# KiCad board M3DU_BoardV3_2.kicad_pcb (continued)
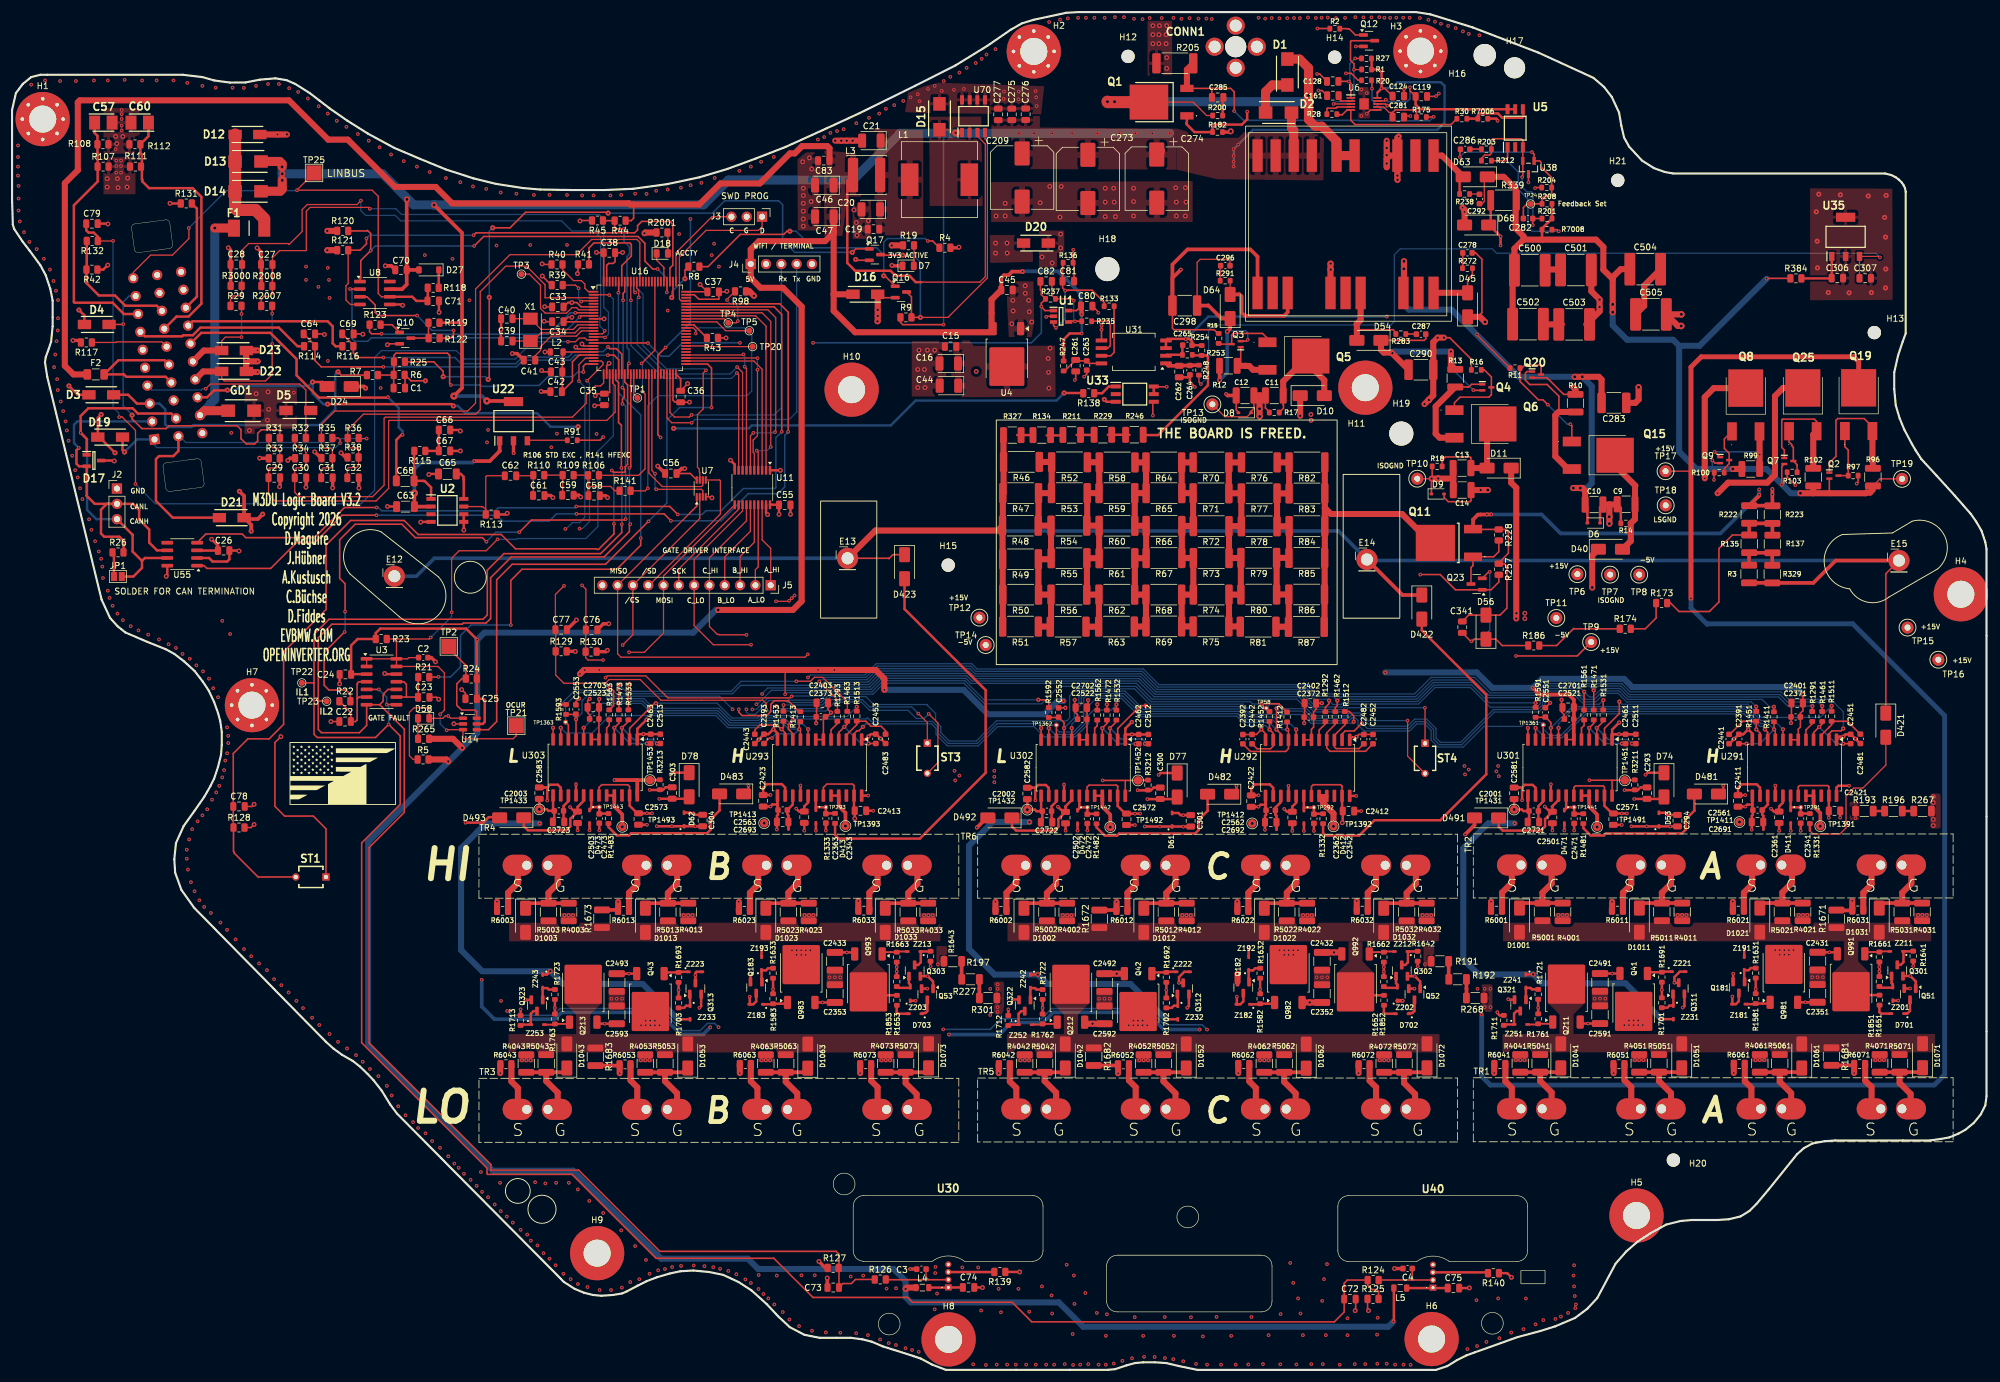
[diagram p0: board, top side]
## Placement (name value [footprint] x y rotation side) (continued)
Q992  3N0408  [TO-252-2]  222.91 64.02 270 top
Q993  3N0408  [TO-252-2]  142.09 64.02 270 top
R1  10K  [R_0603_1608Metric]  224.76 215.9 0 top
R2  3K3  [R_0603_1608Metric]  219.48 222.67 0 top
R3  82K  [R_1210_3225Metric]  288.21 132.13 270 top
R4  10K  [R_0805_2012Metric]  154.78 186.3 0 top
R5  10K  [R_0805_2012Metric]  68.21 101.35 180 top
R6  1K5  [R_0805_2012Metric]  64.23 165.19 180 top
R7  4K7  [R_0805_2012Metric]  59.79 165.16 180 top
R8  10K  [R_0805_2012Metric]  113.13 183.16 180 top
R9  27K  [R_0805_2012Metric]  148.32 174.74 0 top
R10  4R99  [R_1210_3225Metric]  259.41 160.5 270 top
R11  22K  [R_0603_1608Metric]  249.38 166.32 180 top
R12  4R99  [R_1210_3225Metric]  201.81 166.7 0 top
R13  4R99  [R_1210_3225Metric]  239.46 164.65 270 top
R14  4K7  [R_0603_1608Metric]  267.76 140.55 180 top
R15  22K  [R_0603_1608Metric]  200.21 171.25 90 top
R16  22K  [R_0603_1608Metric]  242.96 166.02 180 top
R17  4K7  [R_0603_1608Metric]  209.43 158.95 180 top
R18  4K7  [R_0603_1608Metric]  236.46 150 180 top
R19  680R  [R_0805_2012Metric]  148.74 186.7 0 top
R20  4R7  [R_0603_1608Metric]  224.73 214.1 0 top
R21  10K  [R_0805_2012Metric]  68.31 115.02 0 top
R22  10K  [R_0805_2012Metric]  55.22 111.02 0 top
R23  4K7  [R_0805_2012Metric]  61.26 121.35 180 top
R24  4K7  [R_0805_2012Metric]  76.21 114.77 0 top
R25  10K  [R_0805_2012Metric]  64.28 167.36 180 top
R26  120R  [R_0805_2012Metric]  17.58 135.72 0 top
R27  300K  [R_0603_1608Metric]  224.73 217.72 180 top
R28  33.2K  [R_0603_1608Metric]  218.98 208.47 0 top
R29  1K  [R_0805_2012Metric]  37.16 176.65 0 top
R30  18K  [R_0603_1608Metric]  240.56 207.72 0 top
R31  4K7  [R_0805_2012Metric]  43.52 154.72 0 top
R32  4K7  [R_0805_2012Metric]  47.83 154.72 0 top
R33  1K5  [R_0805_2012Metric]  43.51 151.35 0 top
R34  1K5  [R_0805_2012Metric]  47.87 151.36 0 top
R35  4K7  [R_0805_2012Metric]  52.24 154.73 0 top
R36  4K7  [R_0805_2012Metric]  56.6 154.71 0 top
R37  1K5  [R_0805_2012Metric]  52.24 151.38 0 top
R38  1K5  [R_0805_2012Metric]  56.58 151.5 0 top
R39  1K  [R_0805_2012Metric]  90.46 180.1 0 top
R40  1K  [R_0805_2012Metric]  90.42 183.52 0 top
R41  4K7  [R_0805_2012Metric]  94.81 183.55 0 top
R42  47K  [R_0805_2012Metric]  13.26 182.67 180 top
R43  1K  [R_0805_2012Metric]  116.21 171.32 180 top
R44  47K  [R_0805_2012Metric]  100.89 190.8 180 top
R45  3K3  [R_0805_2012Metric]  97.13 190.82 180 top
R46  3K9  [R_2512_6332Metric]  167.48 150.74 180 top
R47  3K9  [R_2512_6332Metric]  167.35 145.56 180 top
R48  3K9  [R_2512_6332Metric]  167.3 140.16 180 top
R49  3K9  [R_2512_6332Metric]  167.33 134.59 180 top
R50  3K9  [R_2512_6332Metric]  167.35 128.71 180 top
R51  3K9  [R_2512_6332Metric]  167.33 123.41 180 top
R52  3K9  [R_2512_6332Metric]  175.45 150.69 180 top
R53  3K9  [R_2512_6332Metric]  175.43 145.56 180 top
R54  3K9  [R_2512_6332Metric]  175.35 140.16 180 top
R55  3K9  [R_2512_6332Metric]  175.38 134.76 180 top
R56  3K9  [R_2512_6332Metric]  175.35 128.71 180 top
R57  3K9  [R_2512_6332Metric]  175.23 123.39 180 top
R58  3K9  [R_2512_6332Metric]  183.35 150.66 180 top
R59  3K9  [R_2512_6332Metric]  183.32 145.56 180 top
R60  3K9  [R_2512_6332Metric]  183.33 140.14 180 top
R61  3K9  [R_2512_6332Metric]  183.33 134.76 180 top
R62  3K9  [R_2512_6332Metric]  183.3 128.71 180 top
R63  3K9  [R_2512_6332Metric]  183.25 123.41 180 top
R64  3K9  [R_2512_6332Metric]  191.1 150.66 180 top
R65  3K9  [R_2512_6332Metric]  191.13 145.56 180 top
R66  3K9  [R_2512_6332Metric]  191.13 140.11 180 top
R67  3K9  [R_2512_6332Metric]  191.13 134.79 180 top
R68  3K9  [R_2512_6332Metric]  191.1 128.71 180 top
R69  3K9  [R_2512_6332Metric]  191.1 123.44 180 top
R70  3K9  [R_2512_6332Metric]  198.93 150.66 180 top
R71  3K9  [R_2512_6332Metric]  198.93 145.54 180 top
R72  3K9  [R_2512_6332Metric]  198.95 140.09 180 top
R73  3K9  [R_2512_6332Metric]  198.97 134.79 180 top
R74  3K9  [R_2512_6332Metric]  198.95 128.71 180 top
R75  3K9  [R_2512_6332Metric]  198.93 123.44 180 top
R76  3K9  [R_2512_6332Metric]  206.95 150.66 180 top
R77  3K9  [R_2512_6332Metric]  206.93 145.51 180 top
R78  3K9  [R_2512_6332Metric]  206.93 140.06 180 top
R79  3K9  [R_2512_6332Metric]  206.85 134.81 180 top
R80  3K9  [R_2512_6332Metric]  206.85 128.74 180 top
R81  3K9  [R_2512_6332Metric]  206.75 123.39 180 top
R82  3K9  [R_2512_6332Metric]  214.85 150.66 180 top
R83  3K9  [R_2512_6332Metric]  214.85 145.51 180 top
R84  3K9  [R_2512_6332Metric]  214.85 140.09 180 top
R85  3K9  [R_2512_6332Metric]  214.83 134.81 180 top
R86  3K9  [R_2512_6332Metric]  214.8 128.74 180 top
R87  3K9  [R_2512_6332Metric]  214.75 123.36 180 top
R91  1K  [R_0603_1608Metric]  92.95 154.34 0 top
R96  4R99  [R_1210_3225Metric]  308.76 148.22 90 top
R97  22K  [R_0603_1608Metric]  305.48 148.47 0 top
R98  1K  [R_0805_2012Metric]  120.87 179.06 180 top
R99  4R99  [R_1210_3225Metric]  288.48 149.57 0 top
R100  22K  [R_0603_1608Metric]  283.26 148.97 180 top
R102  4R99  [R_1210_3225Metric]  298.86 148.22 90 top
R103  22K  [R_0603_1608Metric]  295.36 149.02 180 top
R106  3K9  [R_0805_2012Metric]  96.47 148.52 0 top  (not fitted)
R107  220R  [R_0805_2012Metric]  15.11 199.77 0 top
R108  220R  [R_0805_2012Metric]  15.08 203.47 180 top
R109  1K8  [R_0805_2012Metric]  92.27 148.55 0 top
R110  1K8  [R_0805_2012Metric]  87.39 148.55 0 top
R111  220R  [R_0805_2012Metric]  20.48 199.77 180 top
R112  220R  [R_0805_2012Metric]  20.38 203.47 0 top
R113  10K  [R_0805_2012Metric]  79.51 142.02 180 top
R114  10K  [R_0805_2012Metric]  49.36 169.95 180 top
R115  10K  [R_0805_2012Metric]  67.66 152.57 180 top
R116  10K  [R_0805_2012Metric]  55.72 169.95 180 top
R117  0R  [R_0805_2012Metric]  12.33 170.57 180 top
R118  1K  [R_0805_2012Metric]  69.88 179.65 180 top
R119  10K  [R_0805_2012Metric]  70.01 173.85 180 top
R120  2K2  [R_0805_2012Metric]  54.86 189.1 0 top
R121  2K2  [R_0805_2012Metric]  54.86 185.9 0 top
R122  3K3  [R_0805_2012Metric]  70.03 171.3 0 top
R123  1K  [R_0805_2012Metric]  60.23 173.52 0 top
R124  3K6  [R_0805_2012Metric]  225.84 14.92 0 top
R125  6K2  [R_0805_2012Metric]  225.82 11.8 0 top
R126  3K6  [R_0805_2012Metric]  144.06 15.02 0 top
R127  6K2  [R_0805_2012Metric]  136.25 16.94 0 top
R128  10K  [R_0805_2012Metric]  37.66 90.05 0 top
R129  10K  [R_0805_2012Metric]  91.11 119.3 0 top
R130  10K  [R_0805_2012Metric]  96.08 119.25 0 top
R131  1K  [R_0805_2012Metric]  28.91 193.65 0 top
R132  1K  [R_0805_2012Metric]  13.31 187.42 180 top
R133  10K  [R_0603_1608Metric]  182.03 176.6 0 top
R134  75K  [R_1210_3225Metric]  170.86 155.2 0 top
R135  82K  [R_1210_3225Metric]  288.23 137.15 270 top
R136  10K  [R_0603_1608Metric]  175.23 183.82 0 top
R137  82K  [R_1210_3225Metric]  292.08 137.12 270 top
R138  2K2  [R_0805_2012Metric]  178.64 162.15 180 top
R139  10k  [R_0805_2012Metric]  163.89 16.27 180 top
R140  10k  [R_0805_2012Metric]  245.79 16.07 180 top
R141  3K9  [R_0805_2012Metric]  101.71 145.95 0 top
R173  50K  [R_0805_2012Metric]  273.7 127.31 0 top
R174  50K  [R_0805_2012Metric]  267.67 123.04 0 top
R175  1k  [R_0603_1608Metric]  233.83 208 0 top
R182  100K  [R_0603_1608Metric]  200.01 205.5 0 top
R186  50K  [R_0805_2012Metric]  252.48 120.26 0 top
R191  1M  [R_1206_3216Metric]  236.91 67.84 0 top
R192  1M  [R_1206_3216Metric]  239.85 64.85 0 top
R193  1M  [R_1206_3216Metric]  307.34 92.79 0 top
R196  1M  [R_1206_3216Metric]  312.17 92.79 0 top
R197  1M  [R_1206_3216Metric]  156.08 67.84 0 top
R200  20R  [R_0603_1608Metric]  200.03 208.25 0 top
R201  35K6  [R_0603_1608Metric]  254.68 191.15 0 top
R203  25K  [R_0603_1608Metric]  244.63 202.67 0 top
R204  5K6  [R_0603_1608Metric]  254.63 196.3 0 top
R205  0.01R  [R_2512_6332Metric_Pad1.40x3.35mm_HandSolder]  192.93 216.92 180 top
R208  39K  [R_0603_1608Metric]  254.68 193.6 0 top
R211  75K  [R_1210_3225Metric]  175.82 155.22 0 top
R212  25K  [R_0603_1608Metric]  244.63 200.75 180 top
R222  82K  [R_1210_3225Metric]  288.23 142.02 270 top
R223  82K  [R_1210_3225Metric]  292.08 142 270 top
R227  1M  [R_1206_3216Metric]  159.03 64.85 0 top
R228  100K  [R_0805_2012Metric]  246.68 138.62 270 top
R229  75K  [R_1210_3225Metric]  180.99 155.25 180 top
R235  10K  [R_0603_1608Metric]  178.31 174.1 0 top
R237  10K  [R_0603_1608Metric]  172.3 177.81 0 top
R238  80.6R  [R_0603_1608Metric]  241.01 195.22 0 top
R246  75K  [R_1210_3225Metric]  186.22 155.25 180 top
R247  10R  [R_0603_1608Metric]  174.48 166.67 270 top
R248  10R  [R_0603_1608Metric]  196.93 165.97 270 top
R253  39R  [R_0603_1608Metric]  195.01 168.52 0 top
R254  1K6  [R_0603_1608Metric]  197.38 169.25 90 top
R257  100K  [R_0805_2012Metric]  246.68 132.92 270 top
R265  1K  [R_0805_2012Metric]  68.28 104.77 0 top
R267  1M  [R_1206_3216Metric]  316.99 92.79 0 top
R268  1M  [R_1206_3216Metric]  242.77 61.75 0 top
R272  80.6R  [R_0603_1608Metric]  241.48 182.9 0 top
R283  80.6R  [R_0603_1608Metric]  230.43 171.97 180 top
R291  80.6R  [R_0603_1608Metric]  201.28 180.82 0 top
R301  1M  [R_1206_3216Metric]  161.95 61.75 0 top
R327  75K  [R_1210_3225Metric]  165.96 155.2 0 top
R329  82K  [R_1210_3225Metric]  292.06 132.12 270 top
R339  4K7  [R_1812_4532Metric]  247.48 194.17 0 top
R384  0R  [R_0805_2012Metric]  295.98 181.21 0 top
R1291  680  [R_0603_1608Metric]  298.68 108.48 90 top
R1292  680  [R_0603_1608Metric]  217.91 108.46 90 top
R1293  680  [R_0603_1608Metric]  136.93 108.51 90 top
R1331  1k  [R_0603_1608Metric]  298.3 91.54 270 top
R1332  1k  [R_0603_1608Metric]  217.53 91.52 270 top
R1333  1k  [R_0603_1608Metric]  136.55 91.57 270 top
R1411  1k  [R_0603_1608Metric]  292.33 108.43 90 top
R1412  1k  [R_0603_1608Metric]  211.56 108.41 90 top
R1413  1k  [R_0603_1608Metric]  130.79 108.46 90 top
R1451  100  [R_0603_1608Metric]  289.41 108.51 90 top
R1452  100  [R_0603_1608Metric]  208.64 108.48 90 top
R1453  100  [R_0603_1608Metric]  127.99 108.51 90 top
R1461  1k  [R_0603_1608Metric]  300.33 108.48 90 top
R1462  1k  [R_0603_1608Metric]  219.56 108.46 90 top
R1463  1k  [R_0603_1608Metric]  138.58 108.51 90 top
R1471  1k  [R_0603_1608Metric]  262.44 108.74 90 top
R1472  1k  [R_0603_1608Metric]  181.66 108.71 90 top
R1473  1k  [R_0603_1608Metric]  100.69 108.76 90 top
R1481  1k  [R_0603_1608Metric]  260.71 91.52 270 top
R1482  1k  [R_0603_1608Metric]  179.94 91.49 270 top
R1483  1k  [R_0603_1608Metric]  98.96 91.54 270 top
R1511  100  [R_0603_1608Metric]  301.91 108.51 90 top
R1512  100  [R_0603_1608Metric]  221.13 108.48 90 top
R1513  100  [R_0603_1608Metric]  140.16 108.53 90 top
R1531  100  [R_0603_1608Metric]  264.01 108.74 90 top
R1532  100  [R_0603_1608Metric]  183.24 108.71 90 top
R1533  100  [R_0603_1608Metric]  102.26 108.76 90 top
R1561  680  [R_0603_1608Metric]  260.83 108.74 90 top
R1562  680  [R_0603_1608Metric]  180.06 108.71 90 top
R1563  680  [R_0603_1608Metric]  99.09 108.76 90 top
R1581  27K  [R_0603_1608Metric]  289.31 61.65 90 top
R1582  27K  [R_0603_1608Metric]  207.09 61.62 90 top
R1583  27K  [R_0603_1608Metric]  126.26 61.62 90 top
R1591  200  [R_0603_1608Metric]  252.78 109.17 90 top
R1592  200  [R_0603_1608Metric]  172.01 109.14 90 top
R1593  200  [R_0603_1608Metric]  91.92 109.65 90 top
R1631  27K  [R_0603_1608Metric]  289.31 65.89 90 top
R1632  27K  [R_0603_1608Metric]  207.09 65.86 90 top
R1633  27K  [R_0603_1608Metric]  126.26 65.86 90 top
R1641  100  [R_0603_1608Metric]  315.44 68.71 90 top
R1642  100  [R_0603_1608Metric]  233.22 68.68 90 top
R1643  100  [R_0603_1608Metric]  152.4 68.68 90 top
R1651  27K  [R_0603_1608Metric]  309.83 64.49 90 top
R1652  27K  [R_0603_1608Metric]  227.61 64.47 90 top
R1653  470  [R_0603_1608Metric]  146.81 61.37 90 top
R1661  27K  [R_0603_1608Metric]  309.83 68.55 90 top
R1662  27K  [R_0603_1608Metric]  227.61 68.53 90 top
R1663  27K  [R_0603_1608Metric]  146.79 68.53 90 top
R1671  4K7  [R_1210_3225Metric]  302.7 74.89 90 top
R1672  4K7  [R_1210_3225Metric]  180.4 74.89 90 top
R1673  4K7  [R_1210_3225Metric]  97.88 74.91 90 top
R1681  4K7  [R_1210_3225Metric]  301.88 52.04 270 top
R1682  4K7  [R_1210_3225Metric]  179.48 52.01 270 top
R1683  4K7  [R_1210_3225Metric]  96.78 51.99 270 top
R1691  27K  [R_0603_1608Metric]  273.74 65.2 270 top
R1692  27K  [R_0603_1608Metric]  191.52 65.18 270 top
R1693  27K  [R_0603_1608Metric]  110.59 65.18 270 top
R1701  27K  [R_0603_1608Metric]  273.74 60.96 270 top
R1702  27K  [R_0603_1608Metric]  191.52 60.93 270 top
R1703  27K  [R_0603_1608Metric]  110.59 60.93 270 top
R1711  100  [R_0603_1608Metric]  247.51 58.04 270 top
R1712  100  [R_0603_1608Metric]  165.29 58.01 270 top
R1713  100  [R_0603_1608Metric]  84.37 58.01 270 top
R1721  27K  [R_0603_1608Metric]  253.21 62.36 270 top
R1722  27K  [R_0603_1608Metric]  170.99 62.33 270 top
R1723  27K  [R_0603_1608Metric]  90.07 62.33 270 top
R1761  27K  [R_0603_1608Metric]  253.21 58.29 270 top
R1762  27K  [R_0603_1608Metric]  170.99 58.27 270 top
R1763  27K  [R_0603_1608Metric]  90.07 58.27 270 top
R1851  470  [R_0603_1608Metric]  309.86 61.39 90 top
R1852  470  [R_0603_1608Metric]  227.64 61.37 90 top
R1853  27K  [R_0603_1608Metric]  146.79 64.47 90 top
R2001  330R  [R_0805_2012Metric]  107.83 188.82 0 top
R2007  1K  [R_0805_2012Metric]  42.24 176.65 0 top
R2008  1K  [R_0805_2012Metric]  42.27 179.95 0 top
R3000  1K  [R_0805_2012Metric]  37.18 179.97 0 top
R3211  0R  [R_0603_1608Metric]  269.24 97.13 270 top
R3212  0R  [R_0603_1608Metric]  188.47 97.1 270 top
R3213  0R  [R_0603_1608Metric]  107.49 97.15 270 top
R4001  12  [R_1210_3225Metric]  257.28 76.05 90 top
R4002  12  [R_1210_3225Metric]  175.06 76.02 90 top
R4003  12  [R_1210_3225Metric]  92.36 76.02 90 top
R4011  12  [R_1210_3225Metric]  277.12 76.05 90 top
R4012  12  [R_1210_3225Metric]  194.9 76.02 90 top
R4013  12  [R_1210_3225Metric]  112.19 76.02 90 top
R4021  12  [R_1210_3225Metric]  297.11 76.05 90 top
R4022  12  [R_1210_3225Metric]  214.89 76.02 90 top
R4023  12  [R_1210_3225Metric]  132.18 76.02 90 top
R4031  12  [R_1210_3225Metric]  316.92 76.05 90 top
R4032  12  [R_1210_3225Metric]  234.7 76.02 90 top
R4033  12  [R_1210_3225Metric]  152 76.02 90 top
R4041  12  [R_1210_3225Metric]  250.24 50.9 270 top
R4042  12  [R_1210_3225Metric]  168.02 50.88 270 top
R4043  12  [R_1210_3225Metric]  85.32 50.88 270 top
R4051  12  [R_1210_3225Metric]  269.98 50.9 270 top
R4052  12  [R_1210_3225Metric]  187.76 50.88 270 top
R4053  12  [R_1210_3225Metric]  105.06 50.88 270 top
R4061  12  [R_1210_3225Metric]  289.99 50.9 270 top
R4062  12  [R_1210_3225Metric]  207.77 50.88 270 top
R4063  12  [R_1210_3225Metric]  125.07 50.88 270 top
R4071  12  [R_1210_3225Metric]  309.88 50.9 270 top
R4072  12  [R_1210_3225Metric]  227.66 50.88 270 top
R4073  12  [R_1210_3225Metric]  144.96 50.88 270 top
R5001  10  [R_1210_3225Metric]  253.93 76.05 90 top
R5002  10  [R_1210_3225Metric]  171.71 76.02 90 top
R5003  10  [R_1210_3225Metric]  89 76.02 90 top
R5011  10  [R_1210_3225Metric]  273.74 76.05 90 top
R5012  10  [R_1210_3225Metric]  191.52 76.02 90 top
R5013  10  [R_1210_3225Metric]  108.82 76.02 90 top
R5021  10  [R_1210_3225Metric]  293.73 76.05 90 top
R5022  10  [R_1210_3225Metric]  211.51 76.02 90 top
R5023  10  [R_1210_3225Metric]  128.8 76.02 90 top
R5031  10  [R_1210_3225Metric]  313.62 76.05 90 top
R5032  10  [R_1210_3225Metric]  231.4 76.02 90 top
R5033  10  [R_1210_3225Metric]  148.69 76.02 90 top
R5041  10  [R_1210_3225Metric]  253.54 50.9 270 top
R5042  10  [R_1210_3225Metric]  171.32 50.88 270 top
R5043  10  [R_1210_3225Metric]  88.62 50.88 270 top
R5051  10  [R_1210_3225Metric]  273.25 50.9 270 top
R5052  10  [R_1210_3225Metric]  191.03 50.88 270 top
R5053  10  [R_1210_3225Metric]  108.33 50.88 270 top
R5061  10  [R_1210_3225Metric]  293.3 50.9 270 top
R5062  10  [R_1210_3225Metric]  211.08 50.88 270 top
R5063  10  [R_1210_3225Metric]  128.37 50.88 270 top
R5071  10  [R_1210_3225Metric]  313.18 50.9 270 top
R5072  10  [R_1210_3225Metric]  230.96 50.88 270 top
R5073  10  [R_1210_3225Metric]  148.26 50.88 270 top
R6001  0.56R  [R_0805_2012Metric]  246.31 76.25 0 top
R6002  0.56R  [R_0805_2012Metric]  164.09 76.23 0 top
R6003  0.56R  [R_0805_2012Metric]  81.38 76.23 0 top
R6011  0.56R  [R_0805_2012Metric]  266.37 76.25 0 top
R6012  0.56R  [R_0805_2012Metric]  184.15 76.23 0 top
R6013  0.56R  [R_0805_2012Metric]  101.45 76.23 0 top
R6021  0.56R  [R_0805_2012Metric]  286.44 76.25 0 top
R6022  0.56R  [R_0805_2012Metric]  204.22 76.23 0 top
R6023  0.56R  [R_0805_2012Metric]  121.52 76.23 0 top
R6031  0.56R  [R_0805_2012Metric]  306.25 76.28 0 top
R6032  0.56R  [R_0805_2012Metric]  224.03 76.25 0 top
R6033  0.56R  [R_0805_2012Metric]  141.33 76.25 0 top
R6041  0.56R  [R_0805_2012Metric]  246.86 50.77 0 top
R6042  0.56R  [R_0805_2012Metric]  164.64 50.75 0 top
R6043  0.56R  [R_0805_2012Metric]  81.94 50.75 0 top
R6051  0.56R  [R_0805_2012Metric]  266.63 50.75 0 top
R6052  0.56R  [R_0805_2012Metric]  184.41 50.72 0 top
R6053  0.56R  [R_0805_2012Metric]  101.7 50.72 0 top
R6061  0.56R  [R_0805_2012Metric]  286.59 50.8 0 top
R6062  0.56R  [R_0805_2012Metric]  204.37 50.77 0 top
R6063  0.56R  [R_0805_2012Metric]  121.67 50.77 0 top
R6071  0.56R  [R_0805_2012Metric]  306.55 50.77 0 top
R6072  0.56R  [R_0805_2012Metric]  224.33 50.75 0 top
R6073  0.56R  [R_0805_2012Metric]  141.63 50.75 0 top
R7006  1k  [R_0603_1608Metric]  244.03 207.72 0 top
R7008  2K  [R_0603_1608Metric]  254.68 189.3 0 top
ST1  Thermistor  [B59100C0140A070]  52.08 81.84 180 top
ST3  Thermistor  [B59100C0140A070]  151.87 104.05 270 top
ST4  Thermistor  [B59100C0140A070]  234.44 104.02 270 top
T1  TDK_VGT  [VGT22EPC-200S6A12]  218.76 189.6 180 top
TP1  TestPoint  [TestPoint_Pad_D1.0mm]  103.76 161.37 0 top
TP2  TestPoint  [TestPoint_Pad_2.5x2.5mm]  72.48 120.11 0 top
TP3  TestPoint  [TestPoint_Pad_D1.0mm]  84.51 181.91 0 top
TP4  TestPoint  [TestPoint_Pad_D1.0mm]  118.82 173.84 0 top
TP5  TestPoint  [TestPoint_Pad_D1.0mm]  122.33 172.52 0 top
TP6  TestPoint  [TestPoint_Keystone_5000-5004_Miniature]  259.72 132.11 0 top
TP7  TestPoint  [TestPoint_Keystone_5000-5004_Miniature]  265.15 132.03 0 top
TP8  TestPoint  [TestPoint_Keystone_5000-5004_Miniature]  269.98 132.03 0 top
TP9  TestPoint  [TestPoint_Keystone_5000-5004_Miniature]  262 120.84 0 top
TP10  GND_ISO_C  [TestPoint_Keystone_5000-5004_Miniature]  233.15 147.95 0 top
TP11  TestPoint  [TestPoint_Keystone_5000-5004_Miniature]  256.23 124.84 0 top
TP12  TestPoint  [TestPoint_Keystone_5000-5004_Miniature]  160.5 124.89 0 top
TP13  TestPoint  [TestPoint_Keystone_5000-5004_Miniature]  199.16 160.3 0 top
TP14  TestPoint  [TestPoint_Keystone_5000-5004_Miniature]  161.55 120.35 0 top
TP15  TestPoint  [TestPoint_Keystone_5000-5004_Miniature]  314.5 123.24 0 top
TP16  TestPoint  [TestPoint_Keystone_5000-5004_Miniature]  319.61 117.91 0 top
TP17  TestPoint  [TestPoint_Keystone_5000-5004_Miniature]  274.35 149.2 0 top
TP18  TestPoint  [TestPoint_Keystone_5000-5004_Miniature]  274.37 143.54 0 top
TP19  TestPoint  [TestPoint_Keystone_5000-5004_Miniature]  313.59 147.93 0 top
TP20  ~  [TestPoint_Pad_D1.0mm]  122.88 169.89 0 top
TP21  TestPoint  [TestPoint_Pad_2.5x2.5mm]  83.65 106.96 0 top
TP22  TestPoint  [TestPoint_Pad_D1.0mm]  48.08 114.06 0 top
TP23  TestPoint  [TestPoint_Pad_D1.0mm]  52.2 111.01 0 top
TP24  TestPoint  [TestPoint_Pad_D1.0mm]  251.95 193.56 0 top
TP25  TestPoint  [TestPoint_Pad_2.5x2.5mm]  50.1 198.71 0 top
TP58  TestPoint  [TestPoint_Via]  208.1 109.88 0 top
TP291  TestPoint  [TestPoint_Via]  296.78 93.4 0 top
TP292  TestPoint  [TestPoint_Via]  216 93.37 0 top
TP293  TestPoint  [TestPoint_Via]  135.03 93.42 0 top
TP1361  TestPoint  [TestPoint_Via]  254.05 107.09 0 top
TP1362  TestPoint  [TestPoint_Via]  173.28 107.06 0 top
TP1363  TestPoint  [TestPoint_Via]  91.85 107.54 0 top
TP1391  TestPoint  [TestPoint_Pad_D1.5mm]  300.03 90.27 0 top
TP1392  TestPoint  [TestPoint_Pad_D1.5mm]  219.25 90.25 0 top
TP1393  TestPoint  [TestPoint_Pad_D1.5mm]  138.28 90.3 0 top
TP1411  TestPoint  [TestPoint_Pad_D1.5mm]  286.62 90.96 0 top
TP1412  TestPoint  [TestPoint_Pad_D1.5mm]  205.77 90.73 0 top
TP1413  TestPoint  [TestPoint_Pad_D1.5mm]  124.79 90.78 0 top
TP1431  TestPoint  [TestPoint_Pad_D1.5mm]  249.23 93.04 0 top
TP1432  TestPoint  [TestPoint_Pad_D1.5mm]  168.45 93.01 0 top
TP1433  TestPoint  [TestPoint_Pad_D1.5mm]  87.48 93.06 0 top
TP1441  TestPoint  [TestPoint_Via]  259.18 93.42 0 top
TP1442  TestPoint  [TestPoint_Via]  178.41 93.4 0 top
TP1443  TestPoint  [TestPoint_Via]  97.44 93.44 0 top
TP1451  TestPoint  [TestPoint_Pad_D1.5mm]  267.59 97.89 0 top
TP1452  TestPoint  [TestPoint_Pad_D1.5mm]  186.82 97.87 0 top
TP1453  TestPoint  [TestPoint_Pad_D1.5mm]  105.84 97.92 0 top
TP1491  TestPoint  [TestPoint_Pad_D1.5mm]  262.99 90.14 0 top
TP1492  TestPoint  [TestPoint_Pad_D1.5mm]  182.22 90.12 0 top
TP1493  TestPoint  [TestPoint_Pad_D1.5mm]  101.25 90.17 0 top
TR1  M3DU_MOSFETS  [M3DU_Mosfets]  242.44 37.88 0 top
TR2  M3DU_MOSFETS  [M3DU_Mosfets]  242.44 78.36 0 top
TR3  M3DU_MOSFETS  [M3DU_Mosfets]  77.47 37.8 0 top
TR4  M3DU_MOSFETS  [M3DU_Mosfets]  77.47 78.32 0 top
TR5  M3DU_MOSFETS  [M3DU_Mosfets]  160.22 37.85 0 top
TR6  CH1234  [M3DU_Mosfets]  160.22 78.32 0 top
U1  OPA320AIDBVR  [SOT95P280X145-5N]  174.06 174.92 0 top
U2  TDA2822D013TR  [SOIC127P600X175-8N]  72.23 142.7 0 top
U3  LM2901  [SOIC-14_3.9x8.7mm_P1.27mm]  61.31 114.25 0 top
U4  LD1086DT33TR  [TO-252-2#2]  165.06 167.83 270 top
U5  ACPL-M49T-000E  [SOIC127P700X260-6N]  249.41 206.15 90 top
U6  TPS40210DGQR  [SOP50P490X110-11N]  224.33 210.17 0 top
U7  74LVC3G17  [VSSOP-8_2.3x2mm_P0.5mm]  114.36 146.35 90 top
U8  TJA1021T  [SOIC-8_3.9x4.9mm_P1.27mm]  60.2 178.79 0 top
U11  SN74LVC245APW  [TSSOP-20_4.4x6.5mm_P0.65mm]  122.83 146.5 270 top
U14  74LVC1G10  [SOT-23-6]  75.96 107.25 0 top
U16  STM32F103VCTx  [LQFP-100_14x14mm_P0.5mm]  104.16 173 0 top
U22  NCV8452STT3G  [SOT230P700X180-4N]  83.2 157.51 90 top
U30  MLX91209LVA-CAA-000-SP  [SIP_4L_VA]  155.35 13.72 90 top
U31  ACPL-C87A  [SSO-8_6.8x5.9mm_P1.27mm_Clearance8mm]  186.11 169 180 top
U33  ACPL-M49T-000E  [SOIC127P700X260-6N]  186.28 162 0 top
U35  TLE4264G  [SOT230P700X180-4N]  304.23 188.11 90 top
U38  TL432AQDBZRQ1  [SOT95P237X112-3N]  251.61 199.62 270 top
U40  MLX91209LVA-CAA-000-SP  [SIP_4L_VA]  235.76 13.67 90 top
U55  SN65HVD230  [SOIC-8_3.9x4.9mm_P1.27mm]  28.23 135.43 180 top
U70  XL1509-5.0E1  [SOIC127P600X175-8N]  159.53 208.14 90 top
U291  STGAP1AS  [SOIC-24W_7.5x15.4mm_P1.27mm]  295.73 99.97 270 top
U292  STGAP1AS  [SOIC-24W_7.5x15.4mm_P1.27mm]  214.96 99.95 270 top
U293  STGAP1AS  [SOIC-24W_7.5x15.4mm_P1.27mm]  133.99 100 270 top
U301  STGAP1AS  [SOIC-24W_7.5x15.4mm_P1.27mm]  258.5 100 270 top
U302  STGAP1AS  [SOIC-24W_7.5x15.4mm_P1.27mm]  177.73 99.97 270 top
U303  STGAP1AS  [SOIC-24W_7.5x15.4mm_P1.27mm]  96.75 100.02 270 top
X1  X50328MSB2GI  [Crystal_SMD_5032-2Pin_5.0x3.2mm]  86.01 172.67 90 top
Z181  8.2V  [D_SOD-323]  286.56 60.73 180 top
Z182  8.2V  [D_SOD-323]  204.34 60.71 180 top
Z183  8.2V  [D_SOD-323]  123.52 60.71 180 top
Z191  8.2V  [D_SOD-323]  287.4 67.49 90 top
Z192  8.2V  [D_SOD-323]  205.18 67.46 90 top
Z193  8.2V  [D_SOD-323]  124.36 67.46 90 top
Z201  8.2V  [D_SOD-323]  312.07 62.43 90 top
Z202  8.2V  [D_SOD-323]  229.85 62.41 90 top
Z203  8.2V  [D_SOD-323]  149.02 62.41 90 top
Z211  8.2V  [D_SOD-323]  312.7 69.49 180 top
Z212  8.2V  [D_SOD-323]  230.48 69.47 180 top
Z213  8.2V  [D_SOD-323]  149.66 69.47 180 top
Z221  8.2V  [D_SOD-323]  276.48 66.12 0 top
Z222  8.2V  [D_SOD-323]  194.26 66.09 0 top
Z223  8.2V  [D_SOD-323]  113.34 66.09 0 top
Z231  8.2V  [D_SOD-323]  275.64 59.36 270 top
Z232  8.2V  [D_SOD-323]  193.42 59.33 270 top
Z233  8.2V  [D_SOD-323]  112.5 59.33 270 top
Z241  8.2V  [D_SOD-323]  251.18 64.54 270 top
Z242  8.2V  [D_SOD-323]  168.96 64.52 270 top
Z243  8.2V  [D_SOD-323]  88.04 64.52 270 top
Z251  8.2V  [D_SOD-323]  250.34 57.35 0 top
Z252  8.2V  [D_SOD-323]  168.12 57.33 0 top
Z253  8.2V  [D_SOD-323]  87.2 57.33 0 top

## Library data of the parts
C1 C16 C20 C21 C27-C32 C39 C40 C44 C46 C47 C58 C59 C61 C62 C64 C66 C67 C69 C72 C73 C79 C83 C209 C273 C274 = -: ki_fp_filters: CP_*
C2-C4 C15 C19 C22-C26 C33-C38 C41-C43 C45 C55 C56 C63 C65 C68 C70 C71 C74-C78 C80-C82 C275-C277 C282 C286 C306 C307 C341 = -: ki_fp_filters: C_*
C9-C14 C119 C124 C128 C161 C261-C265 C278 C281 C283 C285 C287 C290 C292-C294 C296 C298 C300 C301 C303 C304 C500-C505 C2001-C2003 C2341-C2343 C2351-C2353 C2361-C2363 C2371-C2373 C2391-C2393 C2401-C2403 C2412 C2413 C2422 C2423 C2431-C2433 C2441-C2443 C2451-C2453 C2461-C2463 C2471-C2473 C2481-C2483 C2491-C2493 C2501-C2503 C2511-C2513 C2521-C2523 C2551-C2553 C2561-C2563 C2572 C2573 C2582 C2583 C2591-C2593 C2691-C2693 C2701-C2703 C2721-C2723 = -: Description: Unpolarized capacitor; ki_fp_filters: C_*
C57 C60 = -: Datasheet: http://datasheets.avx.com/TAJ.pdf; Description: Tantalum Capacitors - Solid SMD 6V 100uF 10% 1210 ESR = 1.7 Ohms; Height: 2.1; Manufacturer_Name: AVX; Manufacturer_Part_Number: TAJB107K006RNJV; Mouser Part Number: 581-TAJB107K006RNJV; Mouser Price/Stock: https://www.mouser.com/Search/Refine.aspx?Keyword=581-TAJB107K006RNJV
C2411 = -: Description: Unpolarized capacitor, near pin 14:U291; ki_fp_filters: C_*
C2421 = -: Description: Unpolarized capacitor, near pin 23:U291; ki_fp_filters: C_*
C2571 = -: Description: Unpolarized capacitor, near pin 23:U301; ki_fp_filters: C_*
C2581 = -: Description: Unpolarized capacitor, near pin 14:U301; ki_fp_filters: C_*
CONN1 = -: Datasheet: https://tracopower.com/tmv2hi-datasheet/; Description: HV Hvil; Height: 10.2; Manufacturer_Name: Traco Power; Manufacturer_Part_Number: TMV 2-1215SHI
D1 D53 D61 D62 D411-D413 D471-D473 D701-D703 = -: Description: Diode; Sim.Device: D; Sim.Pins: 1=K 2=A; ki_fp_filters: TO-???* *_Diode_* *SingleDiode* D_*
D2 D6 D8 D9 D56 = -: Description: Zener diode; ki_fp_filters: TO-???* *_Diode_* *SingleDiode* D_*
D3-D5 D12 D19 D21 = -: Datasheet: https://www.bourns.com/docs/Product-Datasheets/SMAJ.pdf; Description: ESD Suppressors / TVS Diodes 18volts 5uA 13.7 Amps Bi-Dir; Height: 2.29; Manufacturer_Name: Bourns; Mouser Part Number: 652-SMAJ18CA; Mouser Price/Stock: https://www.mouser.co.uk/ProductDetail/Bourns/SMAJ18CA?qs=A3H9pljuJ8SIx18M2y%2FTiQ%3D%3D; Arrow Price/Stock: https://www.arrow.com/en/products/smaj18ca/bourns?region=nac
D7 D18 D58 = -: ki_fp_filters: LED* LED_SMD:* LED_THT:*
D10 D11 D40 D45 D54 D63 D64 D68 = -: Datasheet: https://www.vishay.com/docs/88751/ss32.pdf; Description: 50V 3A Schottky Diode, SMA; ki_fp_filters: D*SMA*
D13-D15 = -: Datasheet: https://datasheet.datasheetarchive.com/originals/distributors/Datasheets-3/DSA-43270.pdf; Description: HY Electronic Corp SS54B, SMT Rectifier Schottky Diode, 40V 5A, 2-Pin SMB; Height: 2.44; Manufacturer_Name: HY Electronic
D16 D20 D22 D23 = -: Datasheet: https://www.littelfuse.com/media?resourcetype=datasheets&itemid=75e32973-b177-4ee3-a0ff-cedaf1abdb93&filename=smaj-datasheet; Description: ESD Suppressors / TVS Diodes 400W 7V 5% Uni-Directional; Height: 2.29; Manufacturer_Name: LITTELFUSE; Mouser Part Number: 576-SMAJ7.0A; Mouser Price/Stock: https://www.mouser.co.uk/ProductDetail/Littelfuse/SMAJ70A?qs=zHiv0nsVGmqwPZkMuKJUUw%3D%3D; Arrow Price/Stock: https://www.arrow.com/en/products/smaj7.0a/littelfuse?region=europe
D17 = -: Datasheet: https://componentsearchengine.com/Datasheets/2/ESDCAN01-2BLY.pdf; Description: STMICROELECTRONICS - ESDCAN01-2BLY - DIODE, TVS, CAN BUS, 230W, SOT-23-3; Height: 1.5; Manufacturer_Name: STMicroelectronics; Mouser Part Number: 511-ESDCAN01-2BLY; Mouser Price/Stock: https://www.mouser.co.uk/ProductDetail/STMicroelectronics/ESDCAN01-2BLY?qs=Ok1pvOkw6%2FpNzC2RQnWwPA%3D%3D; Arrow Price/Stock: https://www.arrow.com/en/products/esdcan01-2bly/stmicroelectronics?region=nac
D24 = -: Datasheet: https://www.littelfuse.com/media?resourcetype=datasheets&itemid=75e32973-b177-4ee3-a0ff-cedaf1abdb93&filename=smaj-datasheet; Description: 400W bidirectional Transient Voltage Suppressor, 18.0Vr, SMA(DO-214AC); ki_fp_filters: D*SMA*
D27 = -: Datasheet: https://www.vishay.com/docs/85748/1n4148w.pdf; Description: 75V 0.15A Fast Switching Diode, SOD-123; Sim.Device: D; Sim.Pins: 1=K 2=A; ki_fp_filters: D*SOD?123*
D74 D77 D78 D421-D423 D481-D483 D491-D493 = -: Description: Diode; Sim.Device: D; Sim.Pins: 1=K 2=A; Manufacturer_Name: ON Semiconductors; ki_fp_filters: TO-???* *_Diode_* *SingleDiode* D_*
D1001-D1003 D1011-D1013 D1021-D1023 D1031-D1033 D1041-D1043 D1051-D1053 D1061-D1063 D1071-D1073 = -: Description: 2H2 15 M; Sim.Device: D; Sim.Pins: 1=K 2=A; ki_fp_filters: TO-???* *_Diode_* *SingleDiode* D_*
E12-E15 = -: Description: Generic connectable mounting pin connector, single row, 01x01, script generated (kicad-library-utils/schlib/autogen/connector/); ki_fp_filters: Connector*:*_1x??-1MP*
F1 = -: Datasheet: https://datasheet.lcsc.com/szlcsc/1809211427_Shenzhen-JDT-Fuse-JFC2410-0500TS_C136377.pdf; Description: Rated Current 50mA15A; Height: 2.8; Manufacturer_Name: Shenzhen JDT Fuse
F2 = -: Description: Resettable fuse, polymeric positive temperature coefficient; ki_fp_filters: *polyfuse* *PTC*
H1-H11 = -: ki_fp_filters: MountingHole*Pad*
H12-H21 = -: ki_fp_filters: MountingHole*
J1 J2 = -: ki_fp_filters: Connector*:*_1x??_*
J3 = -: ki_fp_filters: Connector*:*_??x*mm* Connector*:*1x??x*mm* Pin?Header?Straight?1X* Pin?Header?Angled?1X* Socket?Strip?Straight?1X* Socket?Strip?Angled?1X*
J4 = -: Description: Generic connector, single row, 01x05, script generated; ki_fp_filters: Connector*:*_1x??_*
J5 = -: Description: Generic connector, single row, 01x12, script generated; ki_fp_filters: Connector*:*_1x??_*
JP1 = -: ki_fp_filters: SolderJumper*Open*
L2 L4 L5 = -: ki_fp_filters: Choke_* *Coil* Inductor_* L_*
L3 = -: Description: CDRH5D28NP-3R0NC
Q1 = -: Datasheet: https://www.infineon.com/dgdl/Infineon-IPD50N06S4_09-DS-v01_02-en.pdf?fileId=db3a30431ff9881501203870aee40c8c; Description: N-Channel 60 V 50A (Tc) 71W (Tc) Surface Mount PG-TO252-3-11; Height: 2.5; Manufacturer_Name: Infineon; Mouser Part Number: 726-IPD50N06S409ATMA; Mouser Price/Stock: https://www.mouser.co.uk/ProductDetail/Infineon-Technologies/IPD50N06S409ATMA2?qs=OwbwYO03UsIm49AeD%252B7JZQ%3D%3D; Arrow Price/Stock: https://www.arrow.com/en/products/ipd50n06s409atma2/infineon-technologies-ag
Q2-Q4 Q7 Q9 Q20 = -: Datasheet: https://www.diodes.com//assets/Datasheets/ds30275.pdf; Description: Bipolar (BJT) Transistor PNP 45 V 100 mA 100MHz 150 mW Surface Mount SOT-523; Height: 0.9; Manufacturer_Name: Diodes Incorporated; Mouser Part Number: 621-BC857BT-7-F; Mouser Price/Stock: https://www.mouser.co.uk/ProductDetail/Diodes-Incorporated/BC857BT-7-F?qs=rGAXPo9uwV2m9zv6J5o%252BUg%3D%3D; Arrow Price/Stock: https://www.arrow.com/en/products/bc857bt-7-f/diodes-incorporated?region=nac
